# KiCad board geeks-ecu.kicad_pcb (continued)
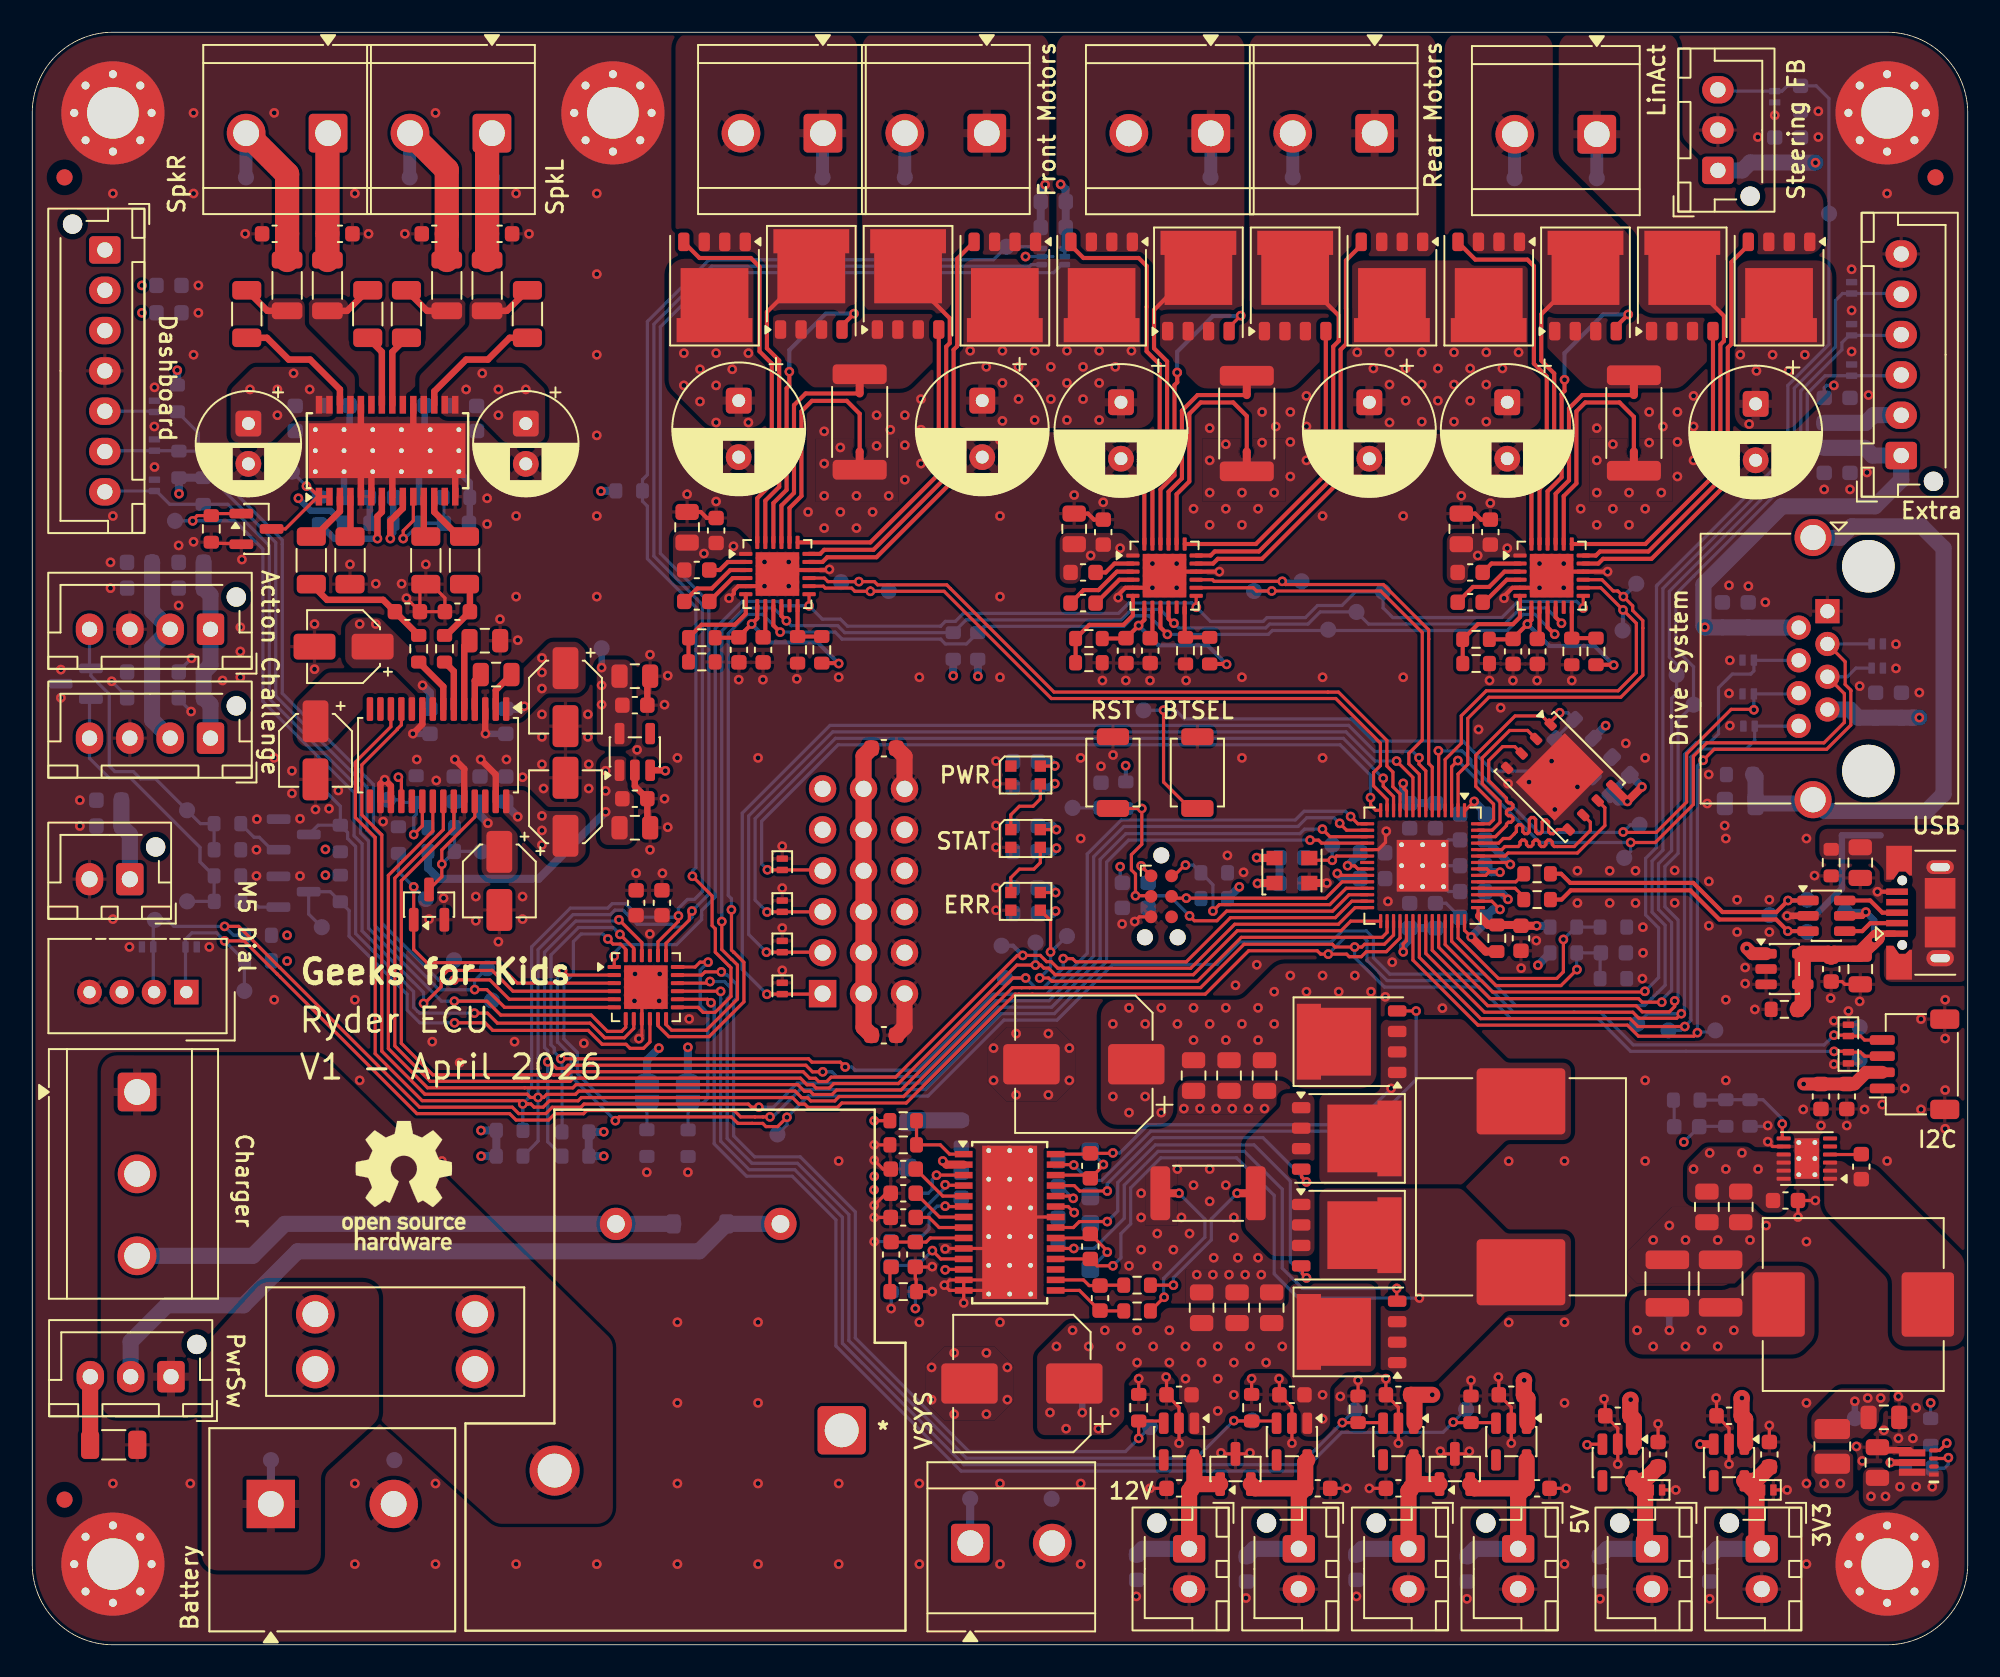
[diagram p0: board, top side]
## Routing (per net, layer and track width the routed paths; a pad name or vN(x,y) marks a point on that pad's centre or on a via; arc(x,y) is an arc through that point) (continued)
  Bottom w0.2: 48.95,48.05 J506.10 ; v1(45.58,48.06) 45.22,48.42 45.22,51.07 49.96,55.81 81.09,55.81 82.97,53.93 v1(82.97,52.54)
/REMOTE_PWM_STEERING: length 59
  Top w0.2: v1(45.52,42.95) D508.2 48.97,42.95 J506.4 ; v1(84.59,54.8) 85.6,53.79 U404.9
  Bottom w0.2: v1(84.59,54.8) 83.26,54.8 81.45,56.61 49.63,56.61 44.42,51.4 44.42,44.05 v1(45.52,42.95) ; 48.97,42.95 J506.4
/REMOTE_PWM_THROTTLE: length 63.8
  Top w0.2: J506.1 48.97,40.35 D505.2 45.56,40.35 v1(45.55,40.34) ; U404.7 86.4,54.19 85.98,54.61 v1(85.98,55.01)
  Bottom w0.2: v1(85.98,55.01) 85.59,55.4 83.23,55.4 81.62,57.01 49.46,57.01 44.02,51.57 44.02,41.87 v1(45.55,40.34)
/RP2040_SPARE1: length 67.9
  Top w0.2: U404.37 86.8,43.07 90.24,39.63 99.44,39.63 99.82,39.25 101.5,39.25 101.83,39.58 v1(101.83,39.93)
  Bottom w0.2: J509.3 115.82,78.7 D516.2 111.15,78.7 110.05,77.6 110.05,73.32 103,66.27 103,66.26 101.9,65.16 101.9,61.75 103,60.65 TP123.1 102.04,57.34 102.04,49.08 101.23,48.27 101.23,45.76 102.04,44.95 102.04,40.14 v1(101.83,39.93)
/RP2040_SPARE2: length 67.3
  Top w0.2: v1(101.03,39.85) 99.81,39.85 99.59,40.07 90.38,40.07 87.2,43.25 U404.38
  Bottom w0.2: J509.4 115.82,81.2 D517.2 112.65,81.2 112.2,80.75 112.2,80.31 109.65,77.76 109.65,73.48 101.5,65.33 101.5,61.25 101.95,60.8 TP122.1 101.95,59 101.64,58.69 101.64,49.25 100.83,48.44 100.83,45.59 101.64,44.79 101.64,40.6 101.03,39.99 v1(101.03,39.85)
/SPKNL: length 11.6
  Top w1.5: FB903.2 C936.1 25.7,91.46 J105.2
  Bottom w0.4: 23.4,93.72 J105.2
  Bottom w0.8: TP146.1 23.4,93.72
/SPKNR: length 10.6
  Top w1.5: J106.1 18.3,93.7 C935.2 FB902.2
  Bottom w0.4: 18.35,93.73 J106.1
  Bottom w0.8: TP147.1 18.35,93.73
/SPKPL: length 10.7
  Top w1.5: J105.1 28.2,93.44 C937.2 FB904.2
  Bottom w0.8: J105.1 TP145.1
/SPKPR: length 11.7
  Top w1.5: FB901.2 C934.1 15.8,91.2 J106.2
  Bottom w0.4: 13.25,93.73 J106.2
  Bottom w0.8: TP148.1 13.25,93.73
/STEERING_FEEDBACK: length 83.2
  Top w0.2: v1(99.98,40.52) 99.94,40.48 90.54,40.48 87.6,43.42 U404.39
  Bottom w0.2: v1(99.98,40.52) 100.83,41.38 100.83,44.45 100.03,45.26 100.03,48.77 100.7,49.44 100.7,65.67 100.75,65.72 100.75,65.72 108.85,73.81 108.85,78.1 111.4,80.65 111.4,95.89 110.61,96.67 C520.1 108.81,96.67 108.49,96.35 D519.2 104.59,96.35 J508.3
/STEERING_MOTOR_DIR: length 27.3
  Top w0.2: U801.15 97.32,66.05 98.02,65.35 98.3,65.35 v1(98.65,65) 99.23,64.42 99.23,64.14 99.85,63.51 99.85,63.05 99.85,63.05 99.85,60.12 98.49,58.76 90.32,58.76 89,57.44 89,54.6 88.4,54 U404.2
  Bottom w0.258: TP112.1 v1(98.65,65)
/STEERING_MOTOR_OUT_A: length 26.7
  Top w0.258: U801.18 96.95,67.55 97.2,67.8 100.2,67.8 104.66,72.26 104.66,80.63 104.89,80.85 104.89,82.4 103.1,84.19 Q804.5
  Bottom w0.8: TP153.1 J111.1
/STEERING_MOTOR_OUT_B: length 21.1
  Top w0.258: U801.23 93.45,71.68 94.36,72.59 94.36,78.84 93.56,79.64 93.56,82.51 95.24,84.19 Q802.5
  Bottom w0.4: 91.9,93.66 J111.2
  Bottom w0.8: TP154.1 91.9,93.66
/STEERING_MOTOR_PWM: length 26.8
  Top w0.2: U404.4 87.6,54.9 88.6,55.9 88.6,57.61 90.15,59.16 98.32,59.16 99.45,60.29 99.45,63.35 v1(98.63,64.18) 97.25,65.55 U801.14
  Bottom w0.258: TP120.1 98.63,62.93 v1(98.63,64.18)
/SW: length 45.5
  Bottom w1: J103.2 6.1,18.8 8.35,21.05 13.1,21.05 16.45,24.4 41.35,24.4 D101.1 K101.A1
/SW_FORWARD: length 58.3
  Top w0.2: v1(27.43,40.63) 28.18,40.63 29.28,39.53 U405.6
  Bottom w0.2: TP125.1 27.43,41.18 v1(27.43,40.63) 27.42,40.62 25.23,40.62 21.25,44.6 21.25,50 20.75,50.5 20.75,53.18 15.1,58.84 15.1,68.35 11.45,72 11.45,72.71 10.14,74.03 R424.2 9.06,74.05 D509.2 4.55,74.05 J505.6
/SW_REVERSE: length 59.1
  Top w0.2: v1(26.15,41.22) 26.16,41.23 28.37,41.23 29.57,40.03 U405.5
  Bottom w0.2: TP126.1 v1(26.15,41.22) 25.2,41.22 21.65,44.77 21.65,50.17 21.15,50.67 21.15,53.35 15.5,59 15.5,68.25 15.5,68.25 15.5,68.52 11.85,72.17 11.85,72.88 10.3,74.42 10.3,75.15 R423.2 8.97,76.45 D506.2 7.53,76.5 J505.5
/~{MOTOR_CHOPPING}: length 88.2
  Top w0.2: v1(42.75,44.85) 42.75,43.12 43.37,42.5 43.38,42.5 43.72,42.16 43.72,40.04 41.79,38.11 39.64,38.11 39.29,38.46 U405.12
  Top w0.258: U701.10 70.45,63.63 70.73,63.35 v1(70.79,63.35) ; v1(94.81,63.35) 94.68,63.48 94.68,63.49 94.45,63.72 U801.10 ; U601.10 46.45,63.81 v1(46.76,63.5)
  Bottom w0.2: v1(42.75,44.85) 42.75,44.88 42.75,44.88 42.75,62.87 44.18,64.3 45.95,64.3 v1(46.76,63.5) 47.06,63.2 49.94,63.2 50.38,62.77 R427.2 57.89,63.56 67.51,63.56 68.16,64.21 69.93,64.21 v1(70.79,63.35) 71.07,63.06 76.48,63.06 76.72,63.3 79.1,63.3 79.85,64.05 TP110.1 82.85,63.3 85.18,63.3 85.18,63.3 91.28,63.3 92.28,64.3 93.86,64.3 v1(94.81,63.35)
/~{MOTOR_FAULT}: length 90.4
  Top w0.2: U405.11 38.79,38.39 39.47,37.71 41.96,37.71 44.12,39.87 44.12,42.32 43.5,42.94 43.49,42.94 43.35,43.08 43.35,45.58 v1(43.35,45.58)
  Top w0.258: v1(46.37,62.8) 45.95,63.22 U601.9 ; v1(94.39,62.67) 94.37,62.67 93.95,63.09 U801.9 ; v1(70.38,62.66) 69.95,63.09 U701.9
  Bottom w0.2: v1(94.39,62.67) 93.16,63.9 92.45,63.9 91.45,62.9 76.88,62.9 76.64,62.66 v1(70.38,62.66) 69.23,63.81 68.33,63.81 67.68,63.16 59.01,63.16 R426.2 57.92,62.06 56.61,62.06 56.32,62.35 56.32,62.36 50.21,62.36 49.77,62.8 v1(46.37,62.8) 45.27,63.9 44.35,63.9 43.15,62.7 43.15,46.47 43.35,46.27 v1(43.35,45.58)
/~{MOTOR_SLEEP}: length 86.6
  Top w0.2: v1(96.16,64.29) 96.16,64.29 U801.13 ; v1(72.17,64.34) 72.16,64.35 U701.13 ; v1(36.08,42.7) 36.08,42.03 U405.1 ; U601.13 48.16,64.43 v1(48.16,64.43)
  Bottom w0.2: v1(96.16,64.29) 95.75,64.7 92.12,64.7 91.12,63.7 87.8,63.7 87.8,63.7 84.35,63.7 83.75,64.3 TP116.1 82.05,65.3 81.2,64.45 79.68,64.45 78.93,63.7 76.55,63.7 76.31,63.46 73.05,63.46 v1(72.17,64.34) 71.9,64.61 68,64.61 67.35,63.96 57.73,63.96 57.23,63.47 56.61,63.47 56.32,63.18 56.32,63.17 50.54,63.17 50.11,63.6 48.99,63.6 v1(48.16,64.43) 46.56,64.43 46.29,64.7 44.02,64.7 42.35,63.03 42.35,46.38 41.5,45.53 41.5,45.25 41.5,45.25 41.5,44.97 39.95,43.42 36.59,43.42 36.08,42.91 v1(36.08,42.7)
VSYS: length 4.8
  Top w0.2: v1(52.2,32.5) R201.1
  Bottom w0.5: R418.1 94.11,42.9 v1(93.35,42.14) ; TP141.1 58.15,6.31 J104.1
  vias: v1(6.8,84.3) v1(6.8,82.6) v1(40.4,80.1) v1(40.4,78.1) v1(41.4,79.1) v1(41.4,77.1) v1(41.64,67.67) v1(42.4,80.1) v1(42.4,78.1) v1(42.4,75.8) v1(43.4,79.1) v1(43.47,68.12) v1(44.4,80.1) v1(44.4,75.8) v1(52.2,29.05) v1(52.19,28.21) v1(58.15,80.25) v1(59.15,79.25) v1(60.15,80.25) v1(60.15,78.25) v1(60.15,75.9) v1(61.15,79.25) v1(61.15,77.25) v1(62.15,80.25) v1(62.15,78.25) v1(62.15,75.95) v1(63.15,79.25) v1(63.15,77.25) v1(64.15,80.25) v1(64.15,78.25) v1(64.15,75.95) v1(65.15,79.25) v1(65.15,77.25) v1(65.62,67.55) v1(66.15,80.25) v1(66.15,78.25) v1(66.15,75.95) v1(67,38.5) v1(67,34) v1(67.15,79.25) v1(67.45,68) v1(68,39.5) v1(68,33) v1(68.15,80.25) v1(69,38.5) v1(69,34) v1(70,39.5) v1(70,33) v1(71,38.5) v1(72,39.5) v1(72,37.5) v1(73,38.5) v1(74,39.5) v1(74,37.5) v1(75,38.5) v1(76,39.5) v1(76,37.5) v1(77,40.5) v1(77,38.5) v1(78,41.5) v1(79,40.5) v1(80,41.5) v1(81,40.5) v1(82,41.5) v1(82.15,80.15) v1(83,40.5) v1(83.15,79.15) v1(84.15,80.15) v1(84.15,78.15) v1(84.15,75.8) v1(85.15,79.15) v1(85.15,77.15) v1(86.15,80.15) v1(86.15,78.15) v1(86.15,75.85) v1(87.15,79.15) v1(87.15,77.15) v1(88.15,80.15) v1(88.15,78.15) v1(88.15,75.85) v1(89.15,79.15) v1(89.15,77.15) v1(89.62,67.55) v1(90.15,80.15) v1(90.15,78.15) v1(90.15,75.85) v1(91.15,79.15) v1(91.45,68) v1(92.15,80.15) v1(103,29.5) v1(104,30.5) v1(105,29.5) v1(105.9,80) v1(106,30.5) v1(106.45,75.7) v1(106.9,79) v1(107,29.5) v1(107.9,80) v1(108.9,79) v1(109.9,80)
Net-(C202-Pad2): length 1.6
  Top w0.2: C202.2 53.18,23.35 R203.1
Net-(C307-Pad2): length 1.7
  Bottom w0.2: C307.2 101.8,33.72 R305.2
Net-(C517-Pad1): length 38.5
  Bottom w1: J507.SH 110.43,68.65 112.1,68.65 112.81,69.36 117.14,69.36 118.5,68 118.5,52.75 117.46,51.71 111.11,51.71 J507.SH 110.18,52.17 C517.1 106.84,53.81 R507.1
Net-(D201-K): length 3.4
  Bottom w1: R209.1 54.43,32.53 D201.1
Net-(D204-A1): length 10.9
  Top w1: D204.1 85.74,9.96 C225.2 ; C225.2 85.65,9.88 U203.5 ; C225.2 85.32,9.55 J202.1
  Bottom w1: C229.1 82.45,5.95 J202.1
Net-(D204-A2): length 12.6
  Top w1: 92.52,9.7 92.65,9.82 U202.5 ; 92.52,9.7 92.12,9.3 J201.1 ; 92.52,9.7 89.41,9.7 D204.2
  Bottom w1: C228.1 89.45,5.95 J201.1
Net-(D205-A1): length 10.9
  Top w1: J204.1 71.72,9.55 C227.2 ; C227.2 72.05,9.88 U205.5 ; C227.2 72.14,9.96 D205.1
  Bottom w1: C231.1 68.85,5.95 J204.1
Net-(D205-A2): length 12.7
  Top w1: C226.2 78.93,11.34 U204.5 ; C226.2 78.53,9.3 J203.1 ; C226.2 75.81,9.7 D205.2
  Bottom w1: J203.1 75.75,5.95 C230.1
Net-(D301-A2): length 10.1
  Top w1: J301.1 100,6.38 100,9.41 U303.5 99.94,10.16 C312.2
  Bottom w1: C314.1 97.65,5.95 J301.1
Net-(D302-A2): length 10
  Top w1: J302.1 106.9,6.28 106.9,9.41 U304.5 106.84,10.16 C313.2
  Bottom w1: J302.1 104.48,5.95 C315.1
Net-(J103-Pin_3): length 4.2
  Top w1: R101.1 3.59,16.61 J103.3
Net-(JP401-B): length 14.1
  Top w0.2: v1(41.9,42.33) 41.4,42.33 41.1,42.03 U405.18
  Bottom w0.2: v1(41.9,42.33) 41.42,41.85 41.42,39.63 41.88,39.17 41.88,33.88 41.6,33.6 JP401.2 ; JP401.2 40.66,33.59 40.66,31.94 ; JP401.2 40.65,33.38
Net-(JP402-B): length 20
  Top w0.2: U405.24 36.79,43.13 36.47,43.45 36.01,43.45 v1(35.69,43.77)
  Bottom w0.2: JP402.2 38.12,33.34 ; JP402.2 35.62,33.6 33.8,35.42 33.8,36.72 32.96,37.56 32.96,41.01 33.55,41.6 33.55,43.6 34.03,44.08 35.38,44.08 v1(35.69,43.77) ; JP402.2 38.11,33.59 R422.1
Net-(Q501-G): length 2.5
  Bottom w0.2: 12.93,46.1 13.68,46.1 14.03,45.75 Q501.1
Net-(Q502-G): length 3
  Bottom w0.2: 15.26,49.3 14.85,49.3 14.07,50.07 13.75,50.07 12.92,50.91 12.92,50.93
Net-(U903-BSNL): length 4.5
  Top w0.4: C928.2 21.68,80.17 U903.22
Net-(U903-BSNR): length 4.5
  Top w0.4: C929.2 22.32,80.17 U903.21
Net-(U903-BSPL): length 8.1
  Top w0.4: U903.26 19.07,77.85 17.22,79.7 15.9,79.7 14.55,81.05 C927.2
Net-(U903-BSPR): length 8
  Top w0.4: C930.2 29.6,81.05 28.25,79.7 26.9,79.7 24.93,77.72 U903.17

## Copper pours and planes (outline as drawn; the poured copper is in the pictures)
+1.1V on In3.Cu: 92,49.25 83.45,49.25 81.95,47.75 81.5,47.75 81.1,48.15 80.75,48.15 80.55,47.95 80.55,46.8 82.1,45.25 89.85,45.25 90.7,46.1 91.15,46.1 91.35,45.9 91.65,45.9 91.85,46.1 91.85,46.7 91.4,47.15 90.95,47.15 90.5,47.6 90.5,48.15 90.7,48.35 91.2,48.35 91.5,48.05 91.85,48.05 92,48.2
+3.3V on Top: 29.1,57.4 29.1,59.2 32.1,62.2 33.8,62.2 34.31,61.69 34.31,59.4 33.91,59 31.86,59 30.26,57.4
+3.3V on Top: 110.3,12.5 110.3,14.2 112,15.9 115,15.9 115.2,15.7 115.2,15.1 114.5,14.5 114.5,13.8 113.2,12.5
+3.3V on Top: 29.1,53 29.1,51.5 32.1,48.5 33.8,48.5 34.31,49.01 34.31,51.3 33.91,51.7 31.86,51.7 30.56,53
+3.3V on Top: 38.5,42.3 38.5,43.3 39.6,44.4 39.6,45.71 36.9,45.71 36.9,44.5 38.1,43.3 38.1,42.3
+3.3V on Bottom: 19.8,47 19.8,50.05 17.82,50.05 17.82,47
+3.3V on Bottom: 14.18,44.72 14.18,41.68 16.15,41.68 16.15,44.72
+3.3V on In4.Cu: 0,100 120,100 120,0 0,0
+3.3VA on Top: 25.2,57.4 25.2,60.05 21.55,63.7 19.9,63.7 19.4,63.2 19.4,61 19.9,60.5 22.4,60.5 24.6,58.3 24.6,57.4
+3.3VA on Top: 37.2,61.1 37.2,55.7 35,55.7 35,61.1
+3.3VA on In4.Cu: 36.5,61.1 34.55,61.1 33.15,59.7 33.15,58.65 30.75,58.65 25.05,64.35 19.6,64.35 18.9,63.65 18.9,62.4 27.62,53.68 34.07,53.68 36.58,56.19
+5V on Top: 36.9,54.9 36.9,53.2 37.3,52.8 37.3,49.9 37,49.6 35.2,49.6 35.2,54.7 35.6,55.1 36.7,55.1
+5V on Top: 113.8,8.6 115.3,8.6 115.9,9.2 118.1,9.2 118.5,9.6 118.5,10.7 118.2,11 113.8,11 113.5,10.7 113.5,8.9
+5V on Top: 110.5,23.5 110.5,19 109.5,18 99.5,18 99,18.5 99,21.5 99.5,22 105.15,22 106.65,23.5
+5V on In3.Cu: 0,100 120,100 120,0 0,0
+12V on Top: 83.3,22.4 77.9,22.4 77.9,20.9 70.33,20.9 69.4,19.97 64.27,19.97 62.3,18 62.3,13 66.8,13 67.7,13.9 67.7,16.3 68.6,17.2 70.4,17.2 71.1,16.5 71.1,15.1 71.6,14.6 71.6,13 73.09,13 74.87,14.78 74.87,16.48 75.49,17.1 77.53,17.1 78.1,16.53 78.1,15 78.6,14.5 78.6,12.9 79.8,12.9 80.47,13.57 80.47,15.97 81.4,16.9 83.3,16.9
+12V on Top, Bottom: 18.8,76.15 16.4,76.15 14.8,74.55 12.3,74.55 12.3,77.85 13.7,79.25 17.2,79.25 18.8,77.65
+12V on Top, Bottom: 25.3,76.15 27.7,76.15 29.3,74.55 31.8,74.55 31.8,77.85 30.4,79.25 26.9,79.25 25.3,77.65
+12V on In3.Cu: 93.3,31.9 93.3,12.15 56.34,12.15 52.13,16.37 38.66,16.36 9.59,44.75 4.5,44.75 4.5,52.25 10,52.25 10,79.2 34,79.25 34,74.25 27.83,68.11 27.83,59.65 55.5,31.9
/12V Buck-Boost Converter/VIN on Bottom: 57.34,28.59 56.15,29.78 56.15,30.36 57.34,31.55 58.3,31.55 58.3,28.59
GND on Top: 71,35 71,32.9 76.7,32.9 77.8,34 77.8,35
GND on Top: 59.66,18.5 60.86,17.3 60.86,15.1 59.66,13.9 56.56,13.9 55.36,15.1 55.36,17.3 56.56,18.5
GND on Top: 77.7,74.8 77.7,70.9 72.55,70.9 72.55,74.8
GND on Top: 77.9,21.1 77.9,23.3 71.5,23.3 71.5,21.1
GND on Top: 53.72,74.78 53.72,70.88 48.57,70.88 48.57,74.78
GND on Top: 63.5,38.3 64.7,37.1 64.7,34.9 63.5,33.7 60.4,33.7 59.2,34.9 59.2,37.1 60.4,38.3
GND on Top: 101.7,74.8 101.7,70.9 96.55,70.9 96.55,74.8
GND on Top: 99.5,22.4 98.9,23 98.9,24.4 101.65,27.15 106.6,27.15 107.15,26.6 107.15,24 105.55,22.4
GND on Top: 69,30 71,30 71,26 69,26
GND on Top, Bottom, In1.Cu, In6.Cu: 0,100 120,100 120,0 0,0
VBAT on Top, In2.Cu, In5.Cu: 10.5,4.61 17.9,4.61 17.9,10.72 21.5,14 21.5,22.5 14.25,22.5 10.5,18.37
VCC on Bottom: 66.4,28.55 64.9,28.55 63.45,27.1 62.95,27.1 62.95,26.05 63.65,25.35 66.4,25.35
/12V Buck-Boost Converter/SW1 on Top: 88.7,38.8 91.4,36.1 95.4,36.1 95.4,31.3 91.4,31.3 88.6,28.5 79.8,28.5 79.8,34.2 83.6,34.2 83.6,38.8
/12V Buck-Boost Converter/SW2 on Top: 79.8,28.3 88.6,28.3 91.4,25.5 95.4,25.5 95.4,20.7 91.4,20.7 87,16.3 83.6,16.3 83.6,22.4 79.8,22.4
/Audio/DAC_LDO_OUT on Top: 27.86,47.9 28.26,47.5 29.7,47.5 30.1,47.9 30.1,50.3 28.3,52.1 28.3,53 27.86,53
/Audio/DAC_VCOM on Top: 23.8,57.4 23.8,58.8 22.3,60.3 18.3,60.3 16.4,58.4 16.4,56.1 16.8,55.7 18.29,55.7 21.42,59 22.6,59 23.2,58.4 23.2,57.4
/Audio/OUTNL on Top: 22.7,76.4 22.7,80.1 23,80.4 24,80.4 24.4,80.8 24.4,83.2 24.7,83.5 26.6,83.5 26.9,83.2 26.9,81.2 23.2,77.5 23.2,76.4
/Audio/OUTNR on Top: 21.3,76.4 21.3,80.1 21,80.4 20,80.4 19.6,80.8 19.6,83.2 19.3,83.5 17.4,83.5 17.1,83.2 17.1,81.2 20.8,77.5 20.8,76.4
/Audio/OUTPL on Top: 24,76.4 24,78.7 27.1,81.8 27.1,83.2 27.4,83.5 29.1,83.5 29.4,83.2 29.4,81.2 24.6,76.4
/Audio/OUTPR on Top: 20,76.4 20,78.7 16.9,81.8 16.9,83.2 16.6,83.5 14.9,83.5 14.6,83.2 14.6,81.2 19.4,76.4
/BATT_IN_PROTECTED on Top, In2.Cu, In5.Cu: 17.93,36.55 36,18.85 36,7.5 28.75,7.5 21.5,14 21.5,18 10.5,18 10.5,14.1 4.25,14.1 4.25,36.55
/DC Motor Controller - Front Wheels/V_SENSE on Top: 45.57,82.53 45.57,80.78 48.46,77.89 54.19,77.89 57.07,80.77 57.07,82.53
/DC Motor Controller - Rear Wheels/V_SENSE on Top: 69.55,82.55 69.55,80.8 72.44,77.91 78.17,77.91 81.05,80.79 81.05,82.55
/DC Motor Controller - Steering/V_SENSE on Top: 93.55,82.55 93.55,80.8 96.44,77.91 102.17,77.91 105.05,80.79 105.05,82.55
/FRONT_MOTOR_OUT_A on Top: 51.45,82.55 57.05,82.55 57.05,85.95 63.05,85.95 63.05,100 51.45,100
/FRONT_MOTOR_OUT_B on Top: 51.15,82.55 51.15,100 39.88,100 39.88,85.95 45.55,85.95 45.55,82.55
/Low Voltage Power Converters/SW_3V3 on Top: 110.3,12.1 110.3,9.4 112.9,9.4 112.9,12.1
/Low Voltage Power Converters/SW_5V0 on Top: 111.1,30 111.1,27 115.3,22.8 115.3,19 115.8,18.5 119.3,18.5 119.8,19 119.8,23.98 114.13,29.65 112.65,29.65 112.3,30
/MCU/USB_CONN_SHIELD on Top: 120,50.6 110.8,50.6 110.8,48.7 114.2,48.7 114.8,48.1 114.8,47.4 114.9,47.3 116.3,47.3 116.8,46.8 116.8,43.9 116.3,43.4 114.8,43.4 114.8,41.1 120,41.1
/REAR_MOTOR_OUT_A on Top: 75.45,82.55 81.05,82.55 81.05,85.95 87.05,85.95 87.05,100 75.45,100
/REAR_MOTOR_OUT_B on Top: 75.15,82.55 75.15,100 63.5,100 63.5,85.95 69.55,85.95 69.55,82.55
/STEERING_MOTOR_OUT_A on Top: 111.05,86.23 111.05,90.38 105.02,90.38 102.06,93.35 102.06,100 94.64,100 94.63,92.31 99.55,87.41 99.55,82.55 105.05,82.55 105.05,86.23
/STEERING_MOTOR_OUT_B on Top: 99.07,82.53 99.07,87.38 94.27,92.17 94.27,100 87.57,100 87.57,85.85 93.55,85.85 93.55,82.53
VSYS on Top: 44.68,68.03 43.62,69.08 39.72,69.08 39.72,65.92 41.08,65.92 41.08,66.97 41.38,67.28 44.68,67.28
VSYS on Top: 57.55,85.95 69.05,85.95 69.05,80.72 69.56,80.2 69.56,75.45 57,75.45 57,80.12 57.55,80.67
VSYS on Top: 103.75,30.9 102.6,29.75 102.6,27.4 106.8,27.4 107.4,26.8 108.4,26.8 108.6,27 108.6,28.1 109.1,28.6 109.1,30.6 106.7,30.6 106.4,30.9
VSYS on Top: 68.65,67.9 67.6,68.95 63.7,68.95 63.7,65.8 65.01,65.8 65.01,66.8 65.36,67.15 68.65,67.15
VSYS on Top: 105.55,85.85 111.6,85.85 111.6,77.95 109.04,75.39 105.55,75.39
VSYS on Top: 45.5,85.95 39.45,85.95 39.45,78.05 42.01,75.49 45.5,75.49
VSYS on Top: 66.25,32.25 66.25,40 75,40 77.25,42.25 82.5,42.25 83.35,41.4 83.35,34.5 78.45,34.5 77.7,35.25 70.75,35.25 70.75,32.25
VSYS on Top: 92.65,67.9 91.6,68.95 87.7,68.95 87.7,65.8 89.01,65.8 89.01,66.8 89.36,67.15 92.65,67.15
VSYS on Top: 81.55,85.85 93.05,85.85 93.05,80.61 93.56,80.1 93.56,75.35 81,75.35 81,80.03 81.55,80.58
VSYS on Bottom: 3.25,82.75 5.8,82.75 6.8,81.75 8.5,81.75 8.5,85.1 3.25,85.1
VSYS on Bottom: 55.1,30.4 52.9,30.4 51.8,29.3 51.8,28 52.5,27.3 53.55,27.3 54,27.75 54,28.45 54.3,28.75 55.1,28.75
VSYS on In2.Cu, In5.Cu: 0,0 0,100 120,100 120,0
Net-(NT201-Pad2) on Top: 79.5,34.2 77.4,34.2 77.4,33.4 75.2,31.2 75.2,25.8 76.9,24.1 79.5,24.1

## Text on the board
B.Silkscreen: x | GND | SwR | SwF | H/L | VCC | SDA | 12V | AMP_SD | SD | CHARGER+ | CHARGER- | T2 | SCL | CHARGER SW | T1 | MCK | REV | MUTE | XSMT | FW | +3.3VA | EX_SPR | BCK | LRCK | DIN | RST | +12V | LED | BTSEL | LS_D | RPWM | LS_C | RDIR | C12M | FLT | CHP | LS_B | SLP | LS_A | SPWM | DS_STR | SDIR | DS_B | DS_THR | RS2 | RS1 | FB | 3V3 | +5V | DS_SW | DS_A | D+ | D- | +3V3 | VBUS | G | 5V | E1 | R2 | R1 | S2 | S1 | SW | V+ | SR- | BATT+ | SR+ | BATT- | SL- | SL+ | FM- | FM+ | VSYS | RM- | RM+ | SM- | SM+ | RC Module | V1 - April 2026 | Ryder ECU | Geeks for Kids
F.Silkscreen: STAT | PWR | ERR | RST | 12V | BTSEL | Extra | USB | I2C | SpkR | Battery | SpkL | VSYS | Front Motors | Rear Motors | 5V | LinAct | Drive System | Steering FB | 3V3 | Dashboard | PwrSw | Charger | M5 Dial | Action Challenge | Ryder ECU | V1 - April 2026 | Geeks for Kids
